# KiCad board minputer.kicad_pcb (continued)
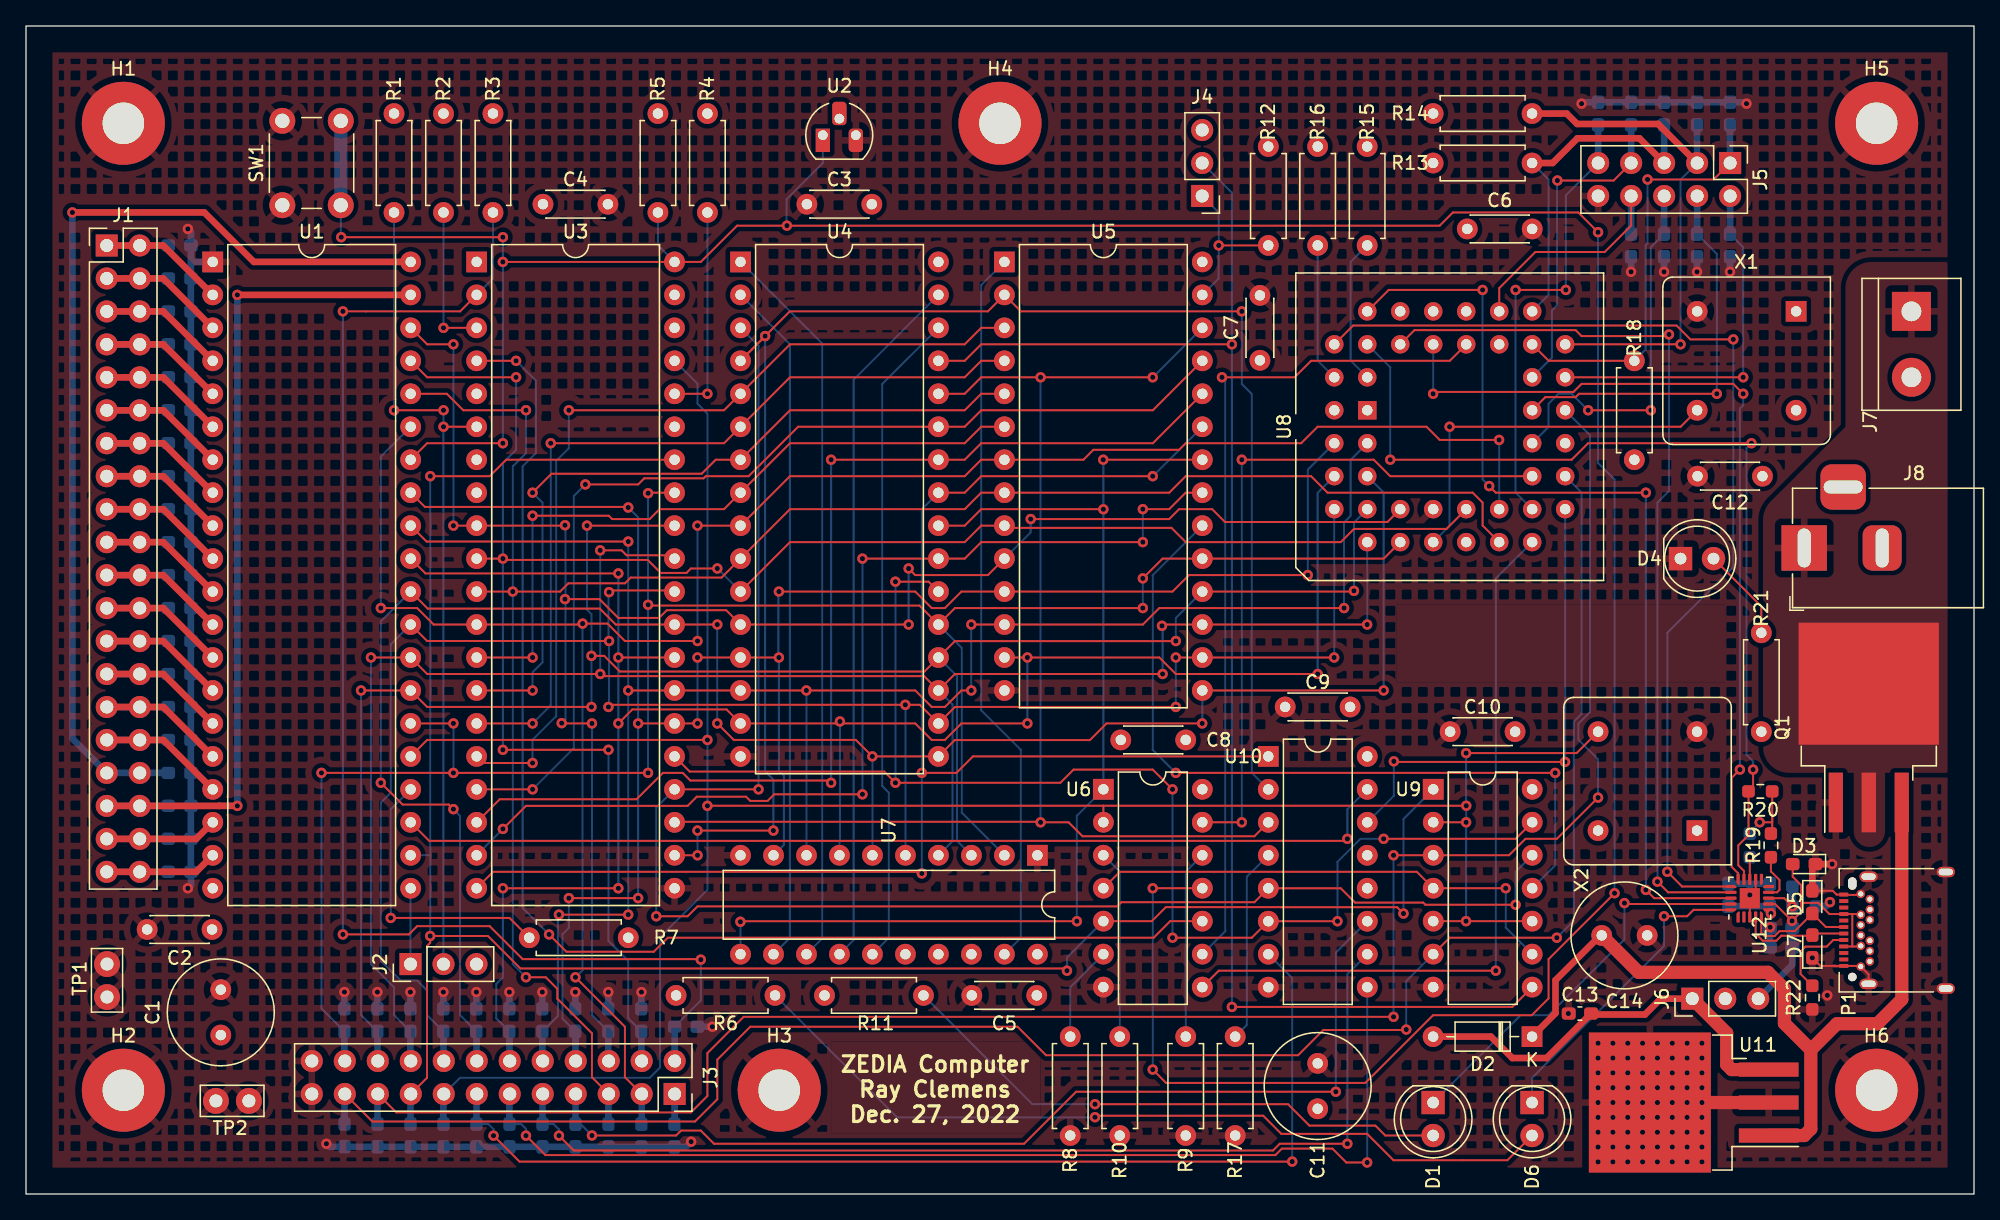
[diagram p0: board, top side]
## Copper pours and planes (outline as drawn; the poured copper is in the pictures) (continued)
GND on Bottom: 150.01,0.06 115.97,0.06 115.97,23.56 129.05,23.56 131.97,26.86 150.01,26.86
GND on In2.Cu: 149.98,0.11 -0.02,0.11 -0.02,90.02 149.98,90.02
VDD on In1.Cu: 150,0.09 0,0.09 0,90 150,90
/PWR_IN on Top: 150.01,32.45 143.15,32.45 143.15,26.73 140.74,26.73 140.74,32.45 133.75,32.45 133.75,52.77 140.1,59.12 140.1,71.82 150.01,71.82

## Text on the board
F.Silkscreen: ZEDIA Computer / Ray Clemens / Dec. 27, 2022
